# KiCad board beaglebone-ai.kicad_pcb
title: Beagleboard-ai; date: 2021-02-02; rev: A1-KiCad; company: KiCad Services
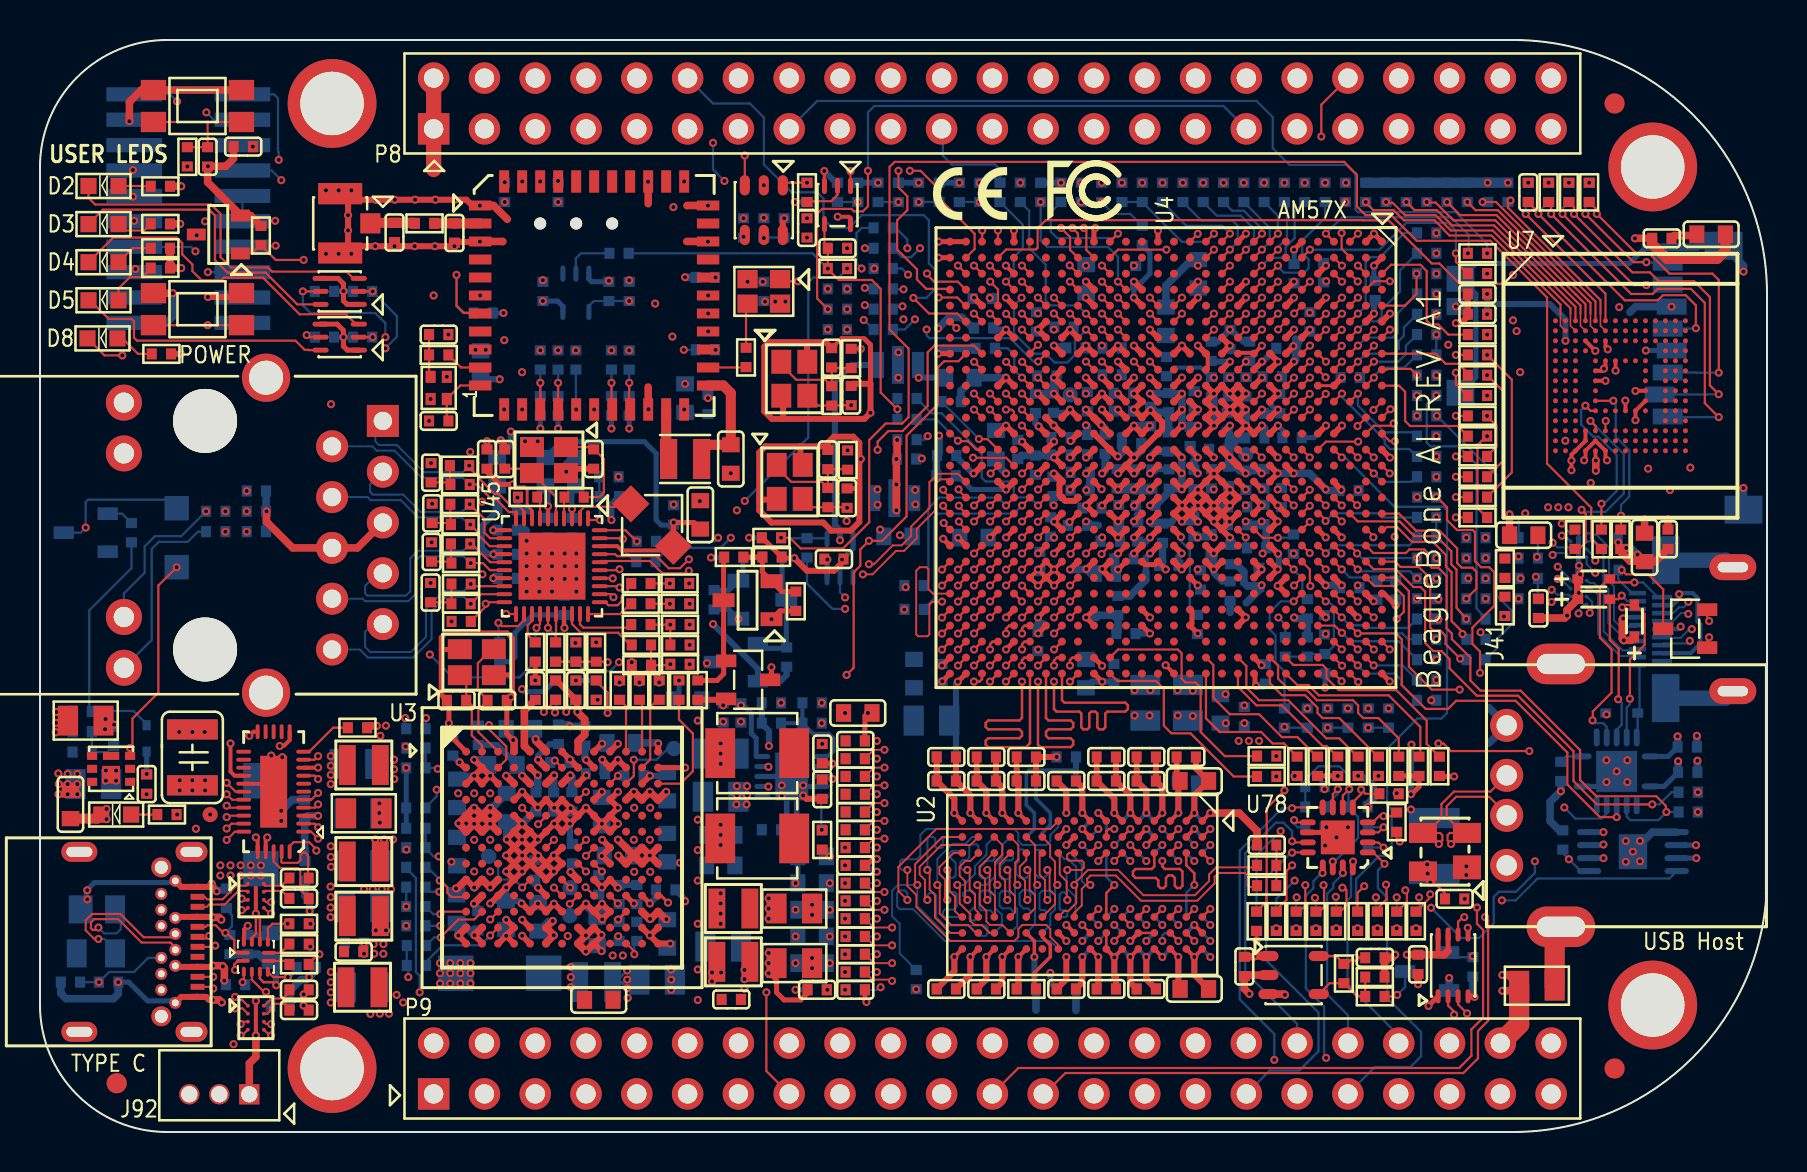
[diagram p0: board, top side]
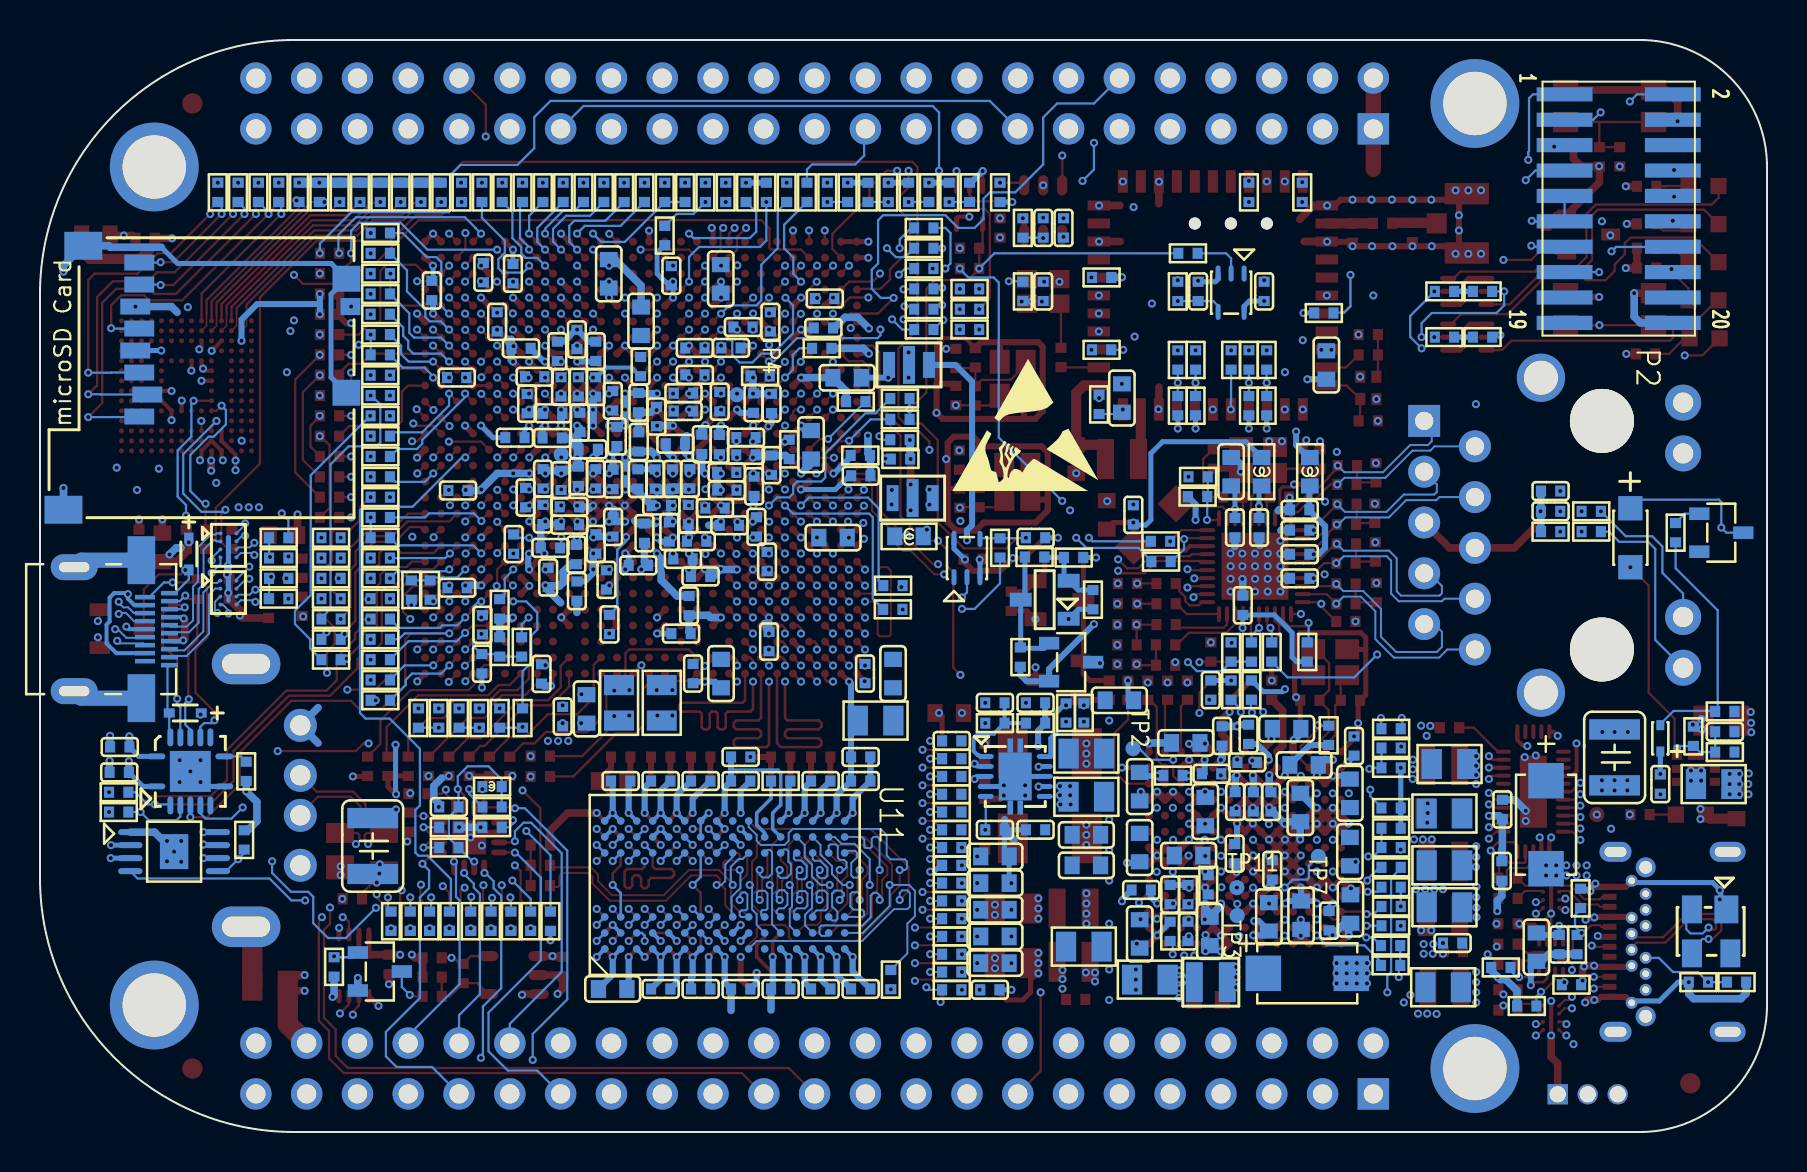
[diagram p1: board, bottom side, seen from below]

Outline 86.36 x 54.61 mm; copper layers: TOP, GND_L2, INT_L3, GND_L4, SIG_L5, PWR_L6, PWR_L7, SIG_L8, GND_L9, SIG_L10, GND_L11, BOTTOM. Coordinates in mm from the lower left corner of the outline.
Outline path: 0,48.26 0,6.35 arc(1.86,1.86) 6.35,0 73.66,0 arc(82.64,3.72) 86.36,12.7 86.36,41.91 arc(82.64,50.89) 73.66,54.61 6.35,54.61 arc(1.86,52.75) 0,48.26
Stack: TOP 0.0178mm / dielectric 0.0803mm FR4 er 4.5 / GND_L2 0.0178mm / dielectric 0.1999mm FR4 er 4.5 / INT_L3 0.0178mm / dielectric 0.1057mm FR4 er 4.5 / GND_L4 0.0178mm / dielectric 0.1199mm FR4 er 4.5 / SIG_L5 0.0178mm / dielectric 0.1072mm FR4 er 4.5 / PWR_L6 0.0178mm / dielectric 0.1199mm FR4 er 4.5 / PWR_L7 0.0178mm / dielectric 0.1072mm FR4 er 4.5 / SIG_L8 0.0178mm / dielectric 0.1199mm FR4 er 4.5 / GND_L9 0.0178mm / dielectric 0.1057mm FR4 er 4.5 / SIG_L10 0.0178mm / dielectric 0.1999mm FR4 er 4.5 / GND_L11 0.0178mm / dielectric 0.0803mm FR4 er 4.5 / BOTTOM 0.0178mm

## Placement (name value [footprint] x y rotation side)
C1  0.001UF  [C0402]  38.61 21.46 0 bottom
C2  4.7UF  [C0603]  22.03 38.35 270 bottom
C3  4.7UF  [C0603]  32.26 36.7 90 bottom
C4  10UF  [C0603]  40.89 20.95 180 top
C5  0.1UF  [C0402]  39.12 18.92 90 top
C6  0.1UF  [C0402]  39.12 17.14 270 top
C7  10UF  [C0603]  38.61 8.45 180 bottom
C8  0.1UF  [C0402]  36.58 15.11 0 bottom
C9  0.01UF  [C0402]  45.32 7.15 180 top
C10  0.01UF  [C0402]  53.32 18.75 0 top
C11  0.01UF  [C0402]  55.32 18.75 0 top
C12  47UF  [C0805]  37.72 11.18 0 top
C13  24PF  [C0402]  40.36 31.7 90 top
C14  24PF  [C0402]  39.4 33.63 90 top
C15  24PF  [C0402]  40.56 36.83 90 top
C16  24PF  [C0402]  39.59 38.72 90 top
C17  0.01UF  [C0402]  47.32 18.75 180 top
C18  0.01UF  [C0402]  45.32 18.75 180 top
C19  0.01UF  [C0402]  47.32 17.55 180 top
C20  0.1UF  [C0402]  51.32 17.55 180 top
C22  0.01UF  [C0402]  45.32 17.55 180 top
C23  0.01UF  [C0402]  49.32 17.55 180 top
C24  0.01UF  [C0402]  53.32 17.55 0 top
C25  0.01UF  [C0402]  55.32 17.55 0 top
C26  47UF  [C0805]  44.58 20.57 180 bottom
C35  0.1UF  [C0402]  51.32 7.15 180 top
C36  0.01UF  [C0402]  55.32 7.15 0 top
C37  10UF  [C0603]  46 37.72 0 bottom
C38  2.2UF  [C0402]  26.8 22.1 90 top
C39  22UF  [C0603]  57.72 7.15 0 top
C40  0.01UF  [C0402]  53.32 7.15 0 top
C41  0.1UF  [C0402]  38.86 7.11 0 bottom
C42  0.1UF  [C0402]  40.77 7.11 180 top
C43  2.2UF  [C0402]  24.76 22.1 90 top
C49  0.1UF  [C0402]  61.34 14.35 0 top
C51  15PF  [C0402]  22.86 21.59 180 top
C52  15PF  [C0402]  20.83 21.59 0 top
C58  22UF  [C0603]  57.72 7.15 0 bottom
C60  0.1UF  [C0402]  38.86 7.11 0 top
C61  0.1UF  [C0402]  40.77 13.33 180 top
C68  15PF  [C0402]  19.94 35.56 180 top
C69  0.1UF  [C0402]  36.58 29.72 180 bottom
C79  0.01UF  [C0402]  39.7 28.65 180 top
C80  0.1UF  [C0402]  39.88 44.2 0 top
C81  0.1UF  [C0402]  35.18 45.21 90 bottom
C87  0.1UF  [C0402]  36.19 45.21 90 bottom
C88  0.1UF  [C0402]  38.35 45.21 90 top
C89  10UF  [C0603]  57.72 17.55 0 top
C90  10UF  [C0603]  38.61 13.78 180 bottom
C91  10UF  [C0603]  38.61 12.45 180 bottom
C92  10PF  [C0402]  38.61 15.11 180 bottom
C93  47UF  [C0805]  34.16 9.27 180 bottom
C94  47UF  [C0805]  37.72 8.45 0 top
C95  0.01UF  [C0402]  45.32 7.15 180 bottom
C96  22UF  [C0603]  34.04 14.86 180 bottom
C97  0.01UF  [C0402]  45.32 18.75 180 bottom
C98  0.1UF  [C0402]  51.32 17.55 180 bottom
C99  0.1UF  [C0402]  51.32 18.75 0 bottom
C100  0.01UF  [C0402]  57.32 17.55 0 bottom
C101  0.01UF  [C0402]  55.32 17.55 0 bottom
C102  0.01UF  [C0402]  53.32 17.55 0 bottom
C103  0.01UF  [C0402]  47.32 17.55 180 bottom
C104  0.01UF  [C0402]  45.32 17.55 180 bottom
C105  47UF  [C0805]  34.04 18.92 180 bottom
C106  1UF  [C0402]  51.06 34.73 180 bottom
C107  1UF  [C0402]  51.06 33.86 180 bottom
C108  1UF  [C0402]  52.02 32.99 0 bottom
C109  1UF  [C0402]  52.01 32.1 0 bottom
C110  10UF  [C0402]  28.96 10.03 270 bottom
C111  47UF  [C0805]  34.04 16.76 180 bottom
C112  10UF  [C0402]  59.54 28.88 270 bottom
C113  10UF  [C0603]  31.37 9.91 270 bottom
C114  4.7UF  [C0603]  31.37 14.22 270 bottom
C115  4.7UF  [C0603]  31.37 17.27 90 bottom
C116  10UF  [C0603]  47.8 34.37 90 bottom
C117  2.2UF  [C0402]  31.29 12.11 0 bottom
C118  0.01UF  [C0402]  45.1 22.92 270 bottom
C119  0.01UF  [C0402]  54.3 24.92 180 bottom
C120  10UF  [C0603]  43.7 22.92 270 bottom
C121  2.2UF  [C0402]  29.85 11.87 90 bottom
C122  0.01UF  [C0402]  47.12 41.68 0 bottom
C123  0.1UF  [C0402]  45.31 32.82 180 bottom
C124  10UF  [C0603]  46.7 29.73 0 bottom
C125  0.01UF  [C0402]  47.19 40.21 180 bottom
C126  2.2UF  [C0603]  29.07 19.46 0 bottom
C127  4.7UF  [C0603]  28.92 13.82 180 bottom
C128  4.7UF  [C0603]  27.94 6.6 0 top
C130  10UF  [C0603]  28.09 16.03 270 bottom
C131  0.01UF  [C0402]  49.9 24.52 270 bottom
C132  4.7UF  [C0603]  27.86 10.03 90 bottom
C133  2.2UF  [C0402]  27.77 17.92 0 bottom
C134  2.2UF  [C0402]  27.25 19.81 90 bottom
C136  0.01UF  [C0402]  49.78 36.43 90 bottom
C138  0.01UF  [C0402]  49.78 33.35 90 bottom
C139  0.01UF  [C0402]  26.59 16.51 270 bottom
C140  0.01UF  [C0402]  50 28.52 90 bottom
C141  0.01UF  [C0402]  47.32 7.15 180 bottom
C143  0.1UF  [C0402]  51.32 7.15 0 bottom
C144  0.1UF  [C0402]  49.32 7.15 180 bottom
C145  0.01UF  [C0402]  26.62 13.92 90 bottom
C146  0.01UF  [C0402]  50.53 30.26 270 bottom
C147  0.1UF  [C0402]  26 18.48 180 bottom
C148  0.01UF  [C0402]  50.68 36.45 90 bottom
C149  0.1UF  [C0402]  50.65 32.29 270 bottom
C151  2.2UF  [C0402]  25.69 16.51 270 bottom
C152  2.2UF  [C0402]  25.92 19.89 90 bottom
C153  0.1UF  [C0402]  40.77 13.33 180 bottom
C154  0.01UF  [C0402]  51.21 40.25 180 bottom
C155  0.01UF  [C0402]  49.83 40.51 90 bottom
C156  4.7UF  [C0603]  24.91 10.76 90 bottom
C157  2.2UF  [C0402]  24.81 16.5 270 bottom
C158  0.01UF  [C0402]  51.88 30.34 0 bottom
C159  0.1UF  [C0402]  52.38 34.38 90 bottom
C161  10UF  [C0603]  52.32 42.66 90 bottom
C162  0.01UF  [C0402]  53.7 22.92 270 bottom
C163  0.1UF  [C0402]  52.37 36.52 90 bottom
C164  2.2UF  [C0603]  24.02 20.17 180 bottom
C165  0.01UF  [C0402]  52.61 31.2 0 bottom
C166  0.01UF  [C0402]  53.32 7.15 0 bottom
C168  10UF  [C0402]  60.22 20.78 90 bottom
C169  2.2UF  [C0603]  23.34 16.23 270 bottom
C170  10UF  [C0603]  23.3 10.84 90 bottom
C171  0.01UF  [C0402]  54.58 34.42 0 bottom
C172  2.2UF  [C0603]  23.15 18.36 180 bottom
C174  0.01UF  [C0402]  53.33 27.78 0 bottom
C175  0.01UF  [C0402]  53.52 29.54 180 bottom
C176  10UF  [C0402]  53.61 39.21 180 bottom
C177  10UF  [C0402]  53.61 37.87 0 bottom
C178  0.01UF  [C0402]  53.86 32.67 90 bottom
C179  1UF  [C0402]  54.21 28.66 180 bottom
C180  10UF  [C0603]  52.3 22.92 270 bottom
C181  0.01UF  [C0402]  53.94 30.88 90 bottom
C182  0.01UF  [C0402]  54.18 36.95 0 bottom
C183  10UF  [C0402]  54.18 36.05 0 bottom
C184  0.1UF  [C0402]  53.26 34.39 270 bottom
C185  0.01UF  [C0402]  54.73 32.66 90 bottom
C186  0.01UF  [C0402]  54.79 42.82 90 bottom
C187  0.01UF  [C0402]  54.89 30.01 90 bottom
C188  22UF  [C0603]  59.03 21.16 90 bottom
C189  0.01UF  [C0402]  55.29 31.33 180 bottom
C190  0.01UF  [C0402]  55.53 35.78 90 bottom
C192  47UF  [C0805]  30.86 7.62 0 bottom
C193  0.01UF  [C0402]  55.6 32.66 90 bottom
C194  4.7UF  [C0603]  20.83 11.15 270 bottom
C195  4.7UF  [C0603]  20.86 14.02 270 bottom
C196  4.7UF  [C0603]  20.86 16.94 90 bottom
C197  0.01UF  [C0402]  56.13 29.95 270 bottom
C198  10UF  [C0603]  56.3 40.54 90 bottom
C199  0.01UF  [C0402]  56.42 34.51 90 bottom
C200  10UF  [C0402]  56.44 36.48 270 bottom
C201  0.01UF  [C0402]  56.44 28.34 180 bottom
C202  0.01UF  [C0402]  56.46 32.66 90 bottom
C203  0.01UF  [C0402]  57.51 34.78 270 bottom
C204  1UF  [C0402]  53.9 26.32 270 bottom
C205  0.01UF  [C0402]  57.7 32.64 90 bottom
C206  0.01UF  [C0402]  57.7 30.26 270 bottom
C207  0.01UF  [C0402]  57.72 36.57 90 bottom
C208  10UF  [C0603]  57.92 42.92 90 bottom
C209  0.01UF  [C0402]  58.03 27.61 90 bottom
C210  0.01UF  [C0402]  56.33 38.28 270 bottom
C211  0.01UF  [C0402]  58.57 29.41 90 bottom
C212  0.01UF  [C0402]  58.57 32.67 270 bottom
C213  0.01UF  [C0402]  49.32 18.75 180 top
C214  1UF  [C0402]  57.88 25.38 270 bottom
C215  10UF  [C0402]  58.58 37.26 90 bottom
C216  1UF  [C0402]  58.94 34.14 0 bottom
C217  10UF  [C0402]  59.37 35.48 270 bottom
C218  0.01UF  [C0402]  59.51 39.63 90 bottom
C220  0.01UF  [C0402]  59.44 37.26 90 bottom
C221  0.01UF  [C0402]  59.89 31.26 0 bottom
C222  0.01UF  [C0402]  59.89 30.37 0 bottom
C223  0.01UF  [C0402]  59.44 32.79 90 bottom
C224  0.01UF  [C0402]  59.51 27.05 270 bottom
C225  0.1UF  [C0402]  40.77 19.56 180 top
C226  0.1UF  [C0402]  40.77 19.56 180 bottom
C227  0.01UF  [C0402]  55.32 7.15 0 bottom
C230  0.01UF  [C0402]  47.32 7.15 180 top
C231  0.01UF  [C0402]  57.32 18.75 0 top
C232  0.01UF  [C0402]  60.31 37.26 90 bottom
C233  0.01UF  [C0402]  60.72 35.94 0 bottom
C234  0.01UF  [C0402]  60.75 34.71 180 bottom
C235  0.01UF  [C0402]  60.95 27.73 270 bottom
C236  0.01UF  [C0402]  61.21 30.88 270 bottom
C237  0.01UF  [C0402]  61.28 22.91 270 bottom
C238  0.01UF  [C0402]  24.74 13.11 90 bottom
C242  0.01UF  [C0402]  62.61 34.72 0 bottom
C245  0.01UF  [C0402]  62 36.42 270 bottom
C254  1UF  [C0402]  60.83 29.21 0 bottom
C255  0.01UF  [C0402]  15.68 9.02 0 top
C256  0.01UF  [C0402]  21.89 10.57 270 bottom
C257  0.01UF  [C0402]  15.72 9.45 0 bottom
C258  0.01UF  [C0402]  20.65 19.3 90 bottom
C259  0.01UF  [C0402]  62.71 42.92 90 bottom
C260  1UF  [C0402]  62.67 29.4 270 bottom
C261  0.01UF  [C0402]  64.19 42.97 270 bottom
C262  0.01UF  [C0402]  64.24 25.36 270 bottom
C263  47UF  [C0805]  16.13 11.24 0 bottom
C264  47UF  [C0805]  16.19 7.24 0 bottom
C265  47UF  [C0805]  16.13 13.33 0 bottom
C266  47UF  [C0805]  16.19 15.94 0 top
C267  0.1UF  [C0402]  64.26 23.42 270 bottom
C268  1.5PF  [C0402]  17.73 44.98 270 top
C269  0.01UF  [C0402]  65.46 32.08 0 bottom
C270  0.01UF  [C0402]  65.5 27.22 0 bottom
C271  0.01UF  [C0402]  65.52 37.73 0 bottom
C272  0.01UF  [C0402]  66.77 42.08 90 bottom
C273  1UF  [C0402]  61.2 32.66 90 bottom
C274  1UF  [C0402]  62.31 39.19 0 bottom
C275  1UF  [C0402]  61.62 37.77 0 bottom
C276  1UF  [C0402]  58.57 39.04 90 bottom
C277  1UF  [C0402]  60.49 39.04 90 bottom
C278  2.2UF  [C0603]  80.24 29.24 270 top
C279  1UF  [C0402]  60.3 32.59 90 bottom
C281  0.1UF  [C0402]  71.88 40.89 180 top
C282  2.2UF  [C0603]  74.19 29.84 180 top
C283  1UF  [C0402]  71.88 41.91 180 top
C285  0.1UF  [C0402]  74.93 26.19 270 top
C286  0.1UF  [C0402]  81.41 29.64 270 top
C291  10UF  [C0603]  38.61 11.11 180 bottom
C292  10UF  [C0603]  38.61 9.78 180 bottom
C293  47UF  [C0805]  55.27 21.46 90 bottom
C294  47UF  [C0805]  57.4 21.46 90 bottom
C295  10UF  [C0603]  34.04 13.33 180 bottom
C296  10UF  [C0402]  34.57 6.63 180 top
C297  47UF  [C0805]  15.88 18.4 0 bottom
C298  47UF  [C0805]  16.13 15.93 0 bottom
C299  0.01UF  [C0402]  62.08 31.72 90 bottom
C300  10UF  [C0603]  83.57 44.89 0 top
C320  0.1UF  [C0402]  27.81 22.1 270 bottom
C321  0.1UF  [C0402]  8.38 48.77 270 top
C325  0.1UF  [C0402]  81.1 44.69 180 top
C326  47UF  [C1210]  69.72 14.3 270 bottom
C327  0.1UF  [C0402]  70.74 11.66 0 top
C334  22PF  [C0402]  27.69 33.65 270 top
C335  0.1UF  [C0402]  10.82 32.05 180 bottom
C336  0.1UF  [C0402]  10.82 31.04 180 bottom
C337  22PF  [C0402]  23.24 33.65 90 top
C338  15PF  [C0402]  19.56 32.97 90 top
C339  1UF  [C0402]  22.35 33.65 90 top
C340  0.1UF  [C0402]  26.21 26.34 90 bottom
C341  15PF  [C0402]  19.61 30.94 90 top
C342  15PF  [C0402]  19.58 29.01 90 top
C343  15PF  [C0402]  19.53 26.97 90 top
C344  10UF  [C0603]  26.8 33.02 90 bottom
C345  0.1UF  [C0402]  26.61 30.23 270 bottom
C346  1UF  [C0402]  23.37 31.12 0 bottom
C347  0.1UF  [C0402]  23.37 28.89 0 bottom
C348  0.1UF  [C0402]  25.4 30.23 270 bottom
C349  10UF  [C0603]  33.02 30.86 90 top
C350  0.1UF  [C0402]  31.69 30.86 90 bottom
C351  0.1UF  [C0402]  23.37 30.1 0 bottom
C352  0.1UF  [C0402]  23.37 27.69 0 bottom
C353  0.1UF  [C0402]  68.91 8.38 90 top
C439  0.1UF  [C0402]  13.26 13.06 270 bottom
C440  0.1UF  [C0402]  13.23 16.13 90 bottom
C441  0.1UF  [C0402]  10.39 9.37 270 bottom
C442  4.7UF  [C0603]  11.53 9.25 270 bottom
C443  0.1UF  [C0402]  12.95 12.7 0 top
C444  0.1UF  [C0402]  12.95 11.68 0 top
C445  0.1UF  [C0402]  12.95 6.1 0 top
C446  0.1UF  [C0402]  12.95 7.11 0 top
C456  4.7UF  [C0603]  1.52 16.38 270 top
C457  0.1UF  [C0402]  2.11 20.02 0 bottom
C461  10UF  [C0603]  32.38 21.59 180 bottom
C462  0.001UF  [C0402]  36.58 21.46 0 bottom
C463  15PF  [C0402]  19.94 39.88 0 top
C464  4.7UF  [C0603]  34.54 33.65 270 top
C466  0.1UF  [C0402]  65.91 16.26 0 bottom
C472  0.1UF  [C0402]  36.19 42.04 90 bottom
C473  5PF  [C0402]  74.42 46.99 90 top
C480  1UF  [C0402]  5.33 17.4 90 top
C481  100UF  [C1210]  7.62 18.73 270 bottom
C482  100UF  [C1210]  7.62 18.73 270 top
C483  0.01UF  [C0402]  5.33 17.4 90 bottom
C488  1PF  [C0402]  20.73 44.96 270 top
C489  1UF  [C0402]  60.22 8.28 90 top
C490  1UF  [C0402]  66.75 8.71 0 top
C491  0.1UF  [C0402]  10.16 49.28 180 top
C492  0.1UF  [C0402]  51.81 39.21 180 bottom
C494  0.01UF  [C0402]  25.15 42.04 90 bottom
C495  1UF  [C0402]  28.45 42.04 90 bottom
C496  0.1UF  [C0402]  63.5 40.51 270 bottom
C497  0.1UF  [C0402]  82.37 19.25 0 bottom
C498  0.1UF  [C0402]  82.4 17.98 0 bottom
D1  GREEN  [D0603]  3.81 15.88 180 top
D2  GREEN  [D0603]  3.18 47.31 180 top
D3  GREEN  [D0603]  3.18 45.4 180 top
D4  GREEN  [D0603]  3.18 43.5 180 top
D5  GREEN  [D0603]  3.18 41.59 180 top
D6  TLVH431CDBZT  [SOT95P240X120-3N]  36.12 26.62 0 bottom
D7  TLVH431CDBZT  [SOT95P240X120-3N]  35.38 26.59 180 top
D8  GREEN  [D0603]  3.12 39.69 180 top
D21  ESD5B5.0ST1G  [SODFL1608X70N]  77.7 26.64 180 top
D22  ESD5B5.0ST1G  [SODFL1608X70N]  77.7 27.66 180 top
D23  ESD5B5.0ST1G  [SODFL1608X70N]  78.92 28.91 90 bottom
D24  ESD5B5.0ST1G  [SODFL1608X70N]  79.1 20.95 180 bottom
D25  ESD5B5.0ST1G  [SODFL1608X70N]  79.73 25.55 270 top
D46  ESD0402-V05L  [D0402]  9.5 9.37 270 bottom
D47  ESD0402-V05L  [D0402]  3.43 7.49 0 bottom
D76  MM5Z5V1ST1G  [SOD523]  5.33 19.69 270 bottom
D77  1N5819HW-7-F  [SOD123_A]  6.83 29.72 90 bottom
D78  PRTR5V0U2X,215  [SOT143_190P240X115-4N]  2.79 10.03 180 bottom
D79  PRTR5V0U2X,215  [SOT143_190P240X115-4N]  70.26 14 270 top
D81  B360A-13-F  [D_SMA]  11.05 15.37 90 bottom
D82  B360A-13-F  [D_SMA]  22.99 7.94 0 bottom
FB2  180R  [L0603]  22.86 33.02 90 bottom
FB3  180R  [L0603]  25.27 33.02 90 bottom
FB5  120OHM  [L0402]  63.75 17.27 0 bottom
FB6  180R  [L0603]  42.91 29.79 180 bottom
FL1  NFM21PC474R1C3D  [FL0805]  42.91 38.36 180 bottom
FL2  NFM21PC474R1C3D  [FL0805]  42.72 31.7 180 bottom
ID1  NI  [FD40]  78.74 51.44 0 top
ID2  NI  [FD40]  78.74 3.18 0 top
ID3  NI  [FD40]  3.84 2.44 0 top
J33  U.FL-R-SMT-1(10)  [ANT3S_26X26]  15.01 45.44 270 top
J37  JTRJ45-4118NLF  [RJ45_MTCONN_JTRJ45-4118NLF]  8.16 29.84 90 top
J41  UB11123-4H9-4F  [USB_A_SH]  76.05 16.84 270 top
J42  UBF31-0170  [USB_MTCONN_UBF31-0170]  7.88 9.51 90 top
J90  MCTF-0606  [SD_HSF-COMPLIANT_MCTF-0606]  78.26 37.72 270 bottom
J91  10118241-001RLF  [HDMIS19_4P4]  84.65 25.15 90 bottom
J92  B3B-ZR(LF)(SN)  [CON3B35X60]  8.97 2.34 180 top
L1  1UH  [L40X40_B]  35.86 18.95 0 top
L2  1UH  [L40X40_B]  35.86 14.68 0 top
L15  4.7UH  [L30X30_A]  30.61 30.35 180 top
L16  1UH  [INDPW250X200X105N]  34.67 11.18 180 top
L17  1UH  [INDPW250X200X105N]  16.19 13.53 0 top
L18  1UH  [INDPW250X200X105N]  16.19 10.79 0 top
L19  1UH  [INDPW250X200X105N]  16.13 7.24 0 top
L20  1UH  [INDPW250X200X105N]  16.19 18.35 0 top
L21  1UH  [INDPW250X200X105N]  34.67 8.51 180 top
L22  1UH  [INDPW250X200X105N]  27.81 7.49 180 bottom
L30  4.7UH  [L25X20]  32.26 33.65 0 top
MH1  NI  [MTGH200C125D_PL]  80.64 48.26 0 top
MH2  NI  [MTGH200C125D_PL]  14.6 51.44 0 top
MH3  NI  [MTGH200C125D_PL]  80.64 6.35 0 top
MH4  NI  [MTGH200C125D_PL]  14.6 3.18 0 top
OSC1  32.768KHZ  [X4S25X20]  36.19 42.04 180 top
P2  CTI JTAG,DNI  [HEADER10X2_SMD]  7.42 46.18 90 bottom
P8  2.54MM 2X23  [H2X23MZ]  47.62 51.44 0 top
P9  2.54MM 2X23  [H2X23MZ]  47.62 3.18 0 top
Q1  MMBT2907A  [SOT23_123]  34.8 23.5 90 bottom
Q4  MMBT2907A  [SOT23_123]  35.41 22.61 90 top
Q14  MMBT2907A  [SOT23_123]  2.29 29.97 90 bottom
Q15  FDMA908PZ  [DFN6_2FN]  3.56 18.16 180 top
Q17  2N7002  [SOT23_123]  69.37 8.03 90 bottom
Q18  BSS138LT1G  [SOT95P240X111-3N]  8.92 44.88 180 top
Q19  BAT54C,215  [SOT23_123]  82.27 25.17 270 top
R1  10K  [R0402]  38.61 20.45 180 bottom
R2  10K  [R0402]  36.58 20.45 180 bottom
R3  100K  [R0402]  35.05 20.95 90 bottom
R4  10K  [R0402]  34.16 20.95 90 bottom
R7  0R  [R0402]  45.34 33.83 180 bottom
R8  10K  [R0402]  34.67 28.73 180 bottom
R9  499R  [R0402]  37.34 23.75 270 bottom
R10  0R  [R0402]  48.89 34.14 270 bottom
R11  1M  [R0402]  39.4 31.72 90 top
R12  1M  [R0402]  39.59 36.81 90 top
R13  10K  [R0402]  36.63 28.75 180 bottom
R14  0R  [R0402]  40.39 33.6 270 top
R15  0R  [R0402]  40.56 38.68 270 top
R17  40.2K  [R0402]  33.71 26.62 270 bottom
R18  10K  [R0402]  31.95 22.1 90 top
R19  10K  [R0402]  30.96 22.1 90 top
R20  10K  [R0402]  29.97 22.1 90 top
R22  240R  [R0402]  49.32 7.15 180 top
R24  10K  [R0402]  51.05 46.99 270 bottom
R25  47R  [R0402]  40.77 18.67 180 top
R26  49.9R  [R0402]  61.34 12.32 0 top
R27  10K  [R0402]  25.78 22.1 90 top
R29  49.9R  [R0402]  61.34 13.33 0 top
R30  47R  [R0402]  40.77 17.78 180 bottom
R31  47R  [R0402]  40.77 16 180 bottom
R33  47R  [R0402]  40.77 17.78 180 top
R34  47R  [R0402]  40.77 10.67 180 top
R36  47R  [R0402]  40.77 9.78 180 top
R37  47R  [R0402]  40.77 9.78 180 bottom
R38  100K  [R0402]  54.1 46.99 90 bottom
R39  47R  [R0402]  40.77 8.89 180 bottom
R40  47R  [R0402]  40.77 10.67 180 bottom
R42  47R  [R0402]  40.77 8.89 180 top
R43  47R  [R0402]  40.77 16.89 180 bottom
R44  100K  [R0402]  56.13 46.99 90 bottom
R54  10K  [R0402]  36.58 29.72 180 top
R55  0R  [R0402]  38.35 29.21 90 bottom
R56  0R  [R0402]  78.08 29.64 270 top
R57  18K  [R0402]  62.23 20.7 90 bottom
R58  20K  [R0402]  63.37 20.7 90 bottom
R70  0R  [R0402]  39.88 43.18 180 top
R74  10K  [R0402]  37.21 45.21 270 bottom
R82  10K  [R0402]  38.35 46.99 90 bottom
R83  100R  [R0402]  38.35 46.99 270 top
R84  10R  [R0402]  39.12 14.6 90 top
R85  499R  [R0402]  32.89 22.1 270 top
R86  10K  [R0402]  34.7 28.75 0 top
R87  10K  [R0402]  36.6 28.75 0 top
R88  240R  [R0402]  49.32 17.55 180 bottom
R89  0R  [R0402]  43.36 35.64 0 bottom
R90  0R  [R0402]  43.36 36.68 0 bottom
R91  40.2K  [R0402]  37.8 26.54 270 top
R92  22R  [R0402]  42.16 45.21 0 bottom
R93  22R  [R0402]  42.16 44.2 0 bottom
R94  22R  [R0402]  42.16 43.18 0 bottom
R95  22R  [R0402]  42.16 42.16 0 bottom
R96  22R  [R0402]  42.16 41.15 0 bottom
R97  22R  [R0402]  42.16 40.13 0 bottom
R98  10K  [R0402]  43.36 34.62 0 bottom
R99  10K  [R0402]  43.33 33.65 0 bottom
R100  0R  [R0402]  45.57 36.53 180 bottom
R101  10K  [R0402]  43.7 27.32 0 bottom
R102  10K  [R0402]  43.71 26.14 0 bottom
R103  10K  [R0402]  29.85 10.03 90 bottom
R104  10K  [R0402]  29.7 17.83 0 bottom
R107  10K  [R0402]  28.96 11.87 90 bottom
R108  0R  [R0402]  28.98 22.1 90 top
R112  10K  [R0402]  47.27 39.19 0 bottom
R113  10K  [R0402]  27.94 12.36 270 bottom
R119  10K  [R0402]  50.35 37.81 180 bottom
R121  10K  [R0402]  26.8 22.1 90 bottom
R123  47R  [R0402]  40.77 14.22 180 top
R124  10K  [R0402]  25.78 22.1 270 bottom
R125  47R  [R0402]  40.77 18.67 180 bottom
R126  47R  [R0402]  40.77 14.22 180 bottom
R128  47R  [R0402]  40.77 15.11 180 bottom
R129  47R  [R0402]  40.77 8 180 top
R130  0R  [R0402]  21.92 19.84 270 bottom
R131  47R  [R0402]  40.77 12.45 180 bottom
R132  47R  [R0402]  40.77 16.89 180 top
R134  1.5K  [R0402]  50.04 46.99 270 bottom
R136  47R  [R0402]  40.77 15.11 180 top
R137  47R  [R0402]  40.77 16 180 top
R139  10K  [R0402]  43.81 7.62 90 bottom
R140  47R  [R0402]  40.77 7.11 180 bottom
R142  47R  [R0402]  40.77 11.56 180 top
R143  47R  [R0402]  40.77 8 180 bottom
R145  0R  [R0402]  18.82 9.32 180 bottom
R146  0R  [R0402]  18.82 8.33 180 bottom
R147  1K  [R0402]  18.8 10.31 180 bottom
R148  0R  [R0402]  18.8 11.28 180 bottom
R149  0R  [R0402]  18.8 12.24 180 bottom
R150  1K  [R0402]  18.8 15.19 180 bottom
R151  1K  [R0402]  18.8 14.22 180 bottom
R152  0R  [R0402]  18.8 13.23 0 bottom
R155  10K  [R0402]  18.8 18.21 180 bottom
R156  10K  [R0402]  18.8 19.2 180 bottom
R157  10K  [R0402]  18.8 16.21 180 bottom
R159  0R  [R0402]  18.8 20.17 180 bottom
R160  47R  [R0402]  40.77 12.45 180 top
R161  47R  [R0402]  40.77 11.56 180 bottom
R162  100K  [R0402]  45.97 46.99 90 bottom
R164  100K  [R0402]  41.91 46.99 90 bottom
R168  100K  [R0402]  64.26 46.99 90 bottom
R169  10K  [R0402]  63.37 24.26 90 bottom
R173  100K  [R0402]  69.34 22.61 0 bottom
R174  10K  [R0402]  66.85 27.1 90 bottom
R175  10K  [R0402]  73.41 46.99 90 bottom
R176  10K  [R0402]  71.37 46.99 90 bottom
R177  10K  [R0402]  69.34 46.99 90 bottom
R178  10K  [R0402]  67.31 46.99 90 bottom
R179  10K  [R0402]  66.29 46.99 90 bottom
R180  4.7K  [R0402]  69.34 25.65 180 bottom
R182  10K  [R0402]  67.79 27.1 90 bottom
R183  0R  [R0402]  74.42 46.99 270 bottom
R184  10K  [R0402]  72.39 46.99 90 bottom
R185  10K  [R0402]  70.36 46.99 90 bottom
R186  10K  [R0402]  68.33 46.99 90 bottom
R188  10K  [R0402]  76.76 29.64 90 top
R189  4.7K  [R0402]  69.34 26.67 0 bottom
R192  4.7K  [R0402]  63.37 26.16 90 bottom